# Altium PCB DDR3.PcbDoc (part 3 of 6)
Units mm, origin at the board's own origin, x right, y up, seen from the top; angles counter-clockwise.
Board outline 67.6 x 30 mm, 8 copper layers (L1 Top, L2 GND, L3 Sig, L4 (PWR), L5 (PWR), L6 Sig, L7 GND, L8 Bot), stack 1.714 mm thick; 216 components, 253 nets, 1243 pads, 806 vias.
Unrouted connection lines stored in the file: 13.
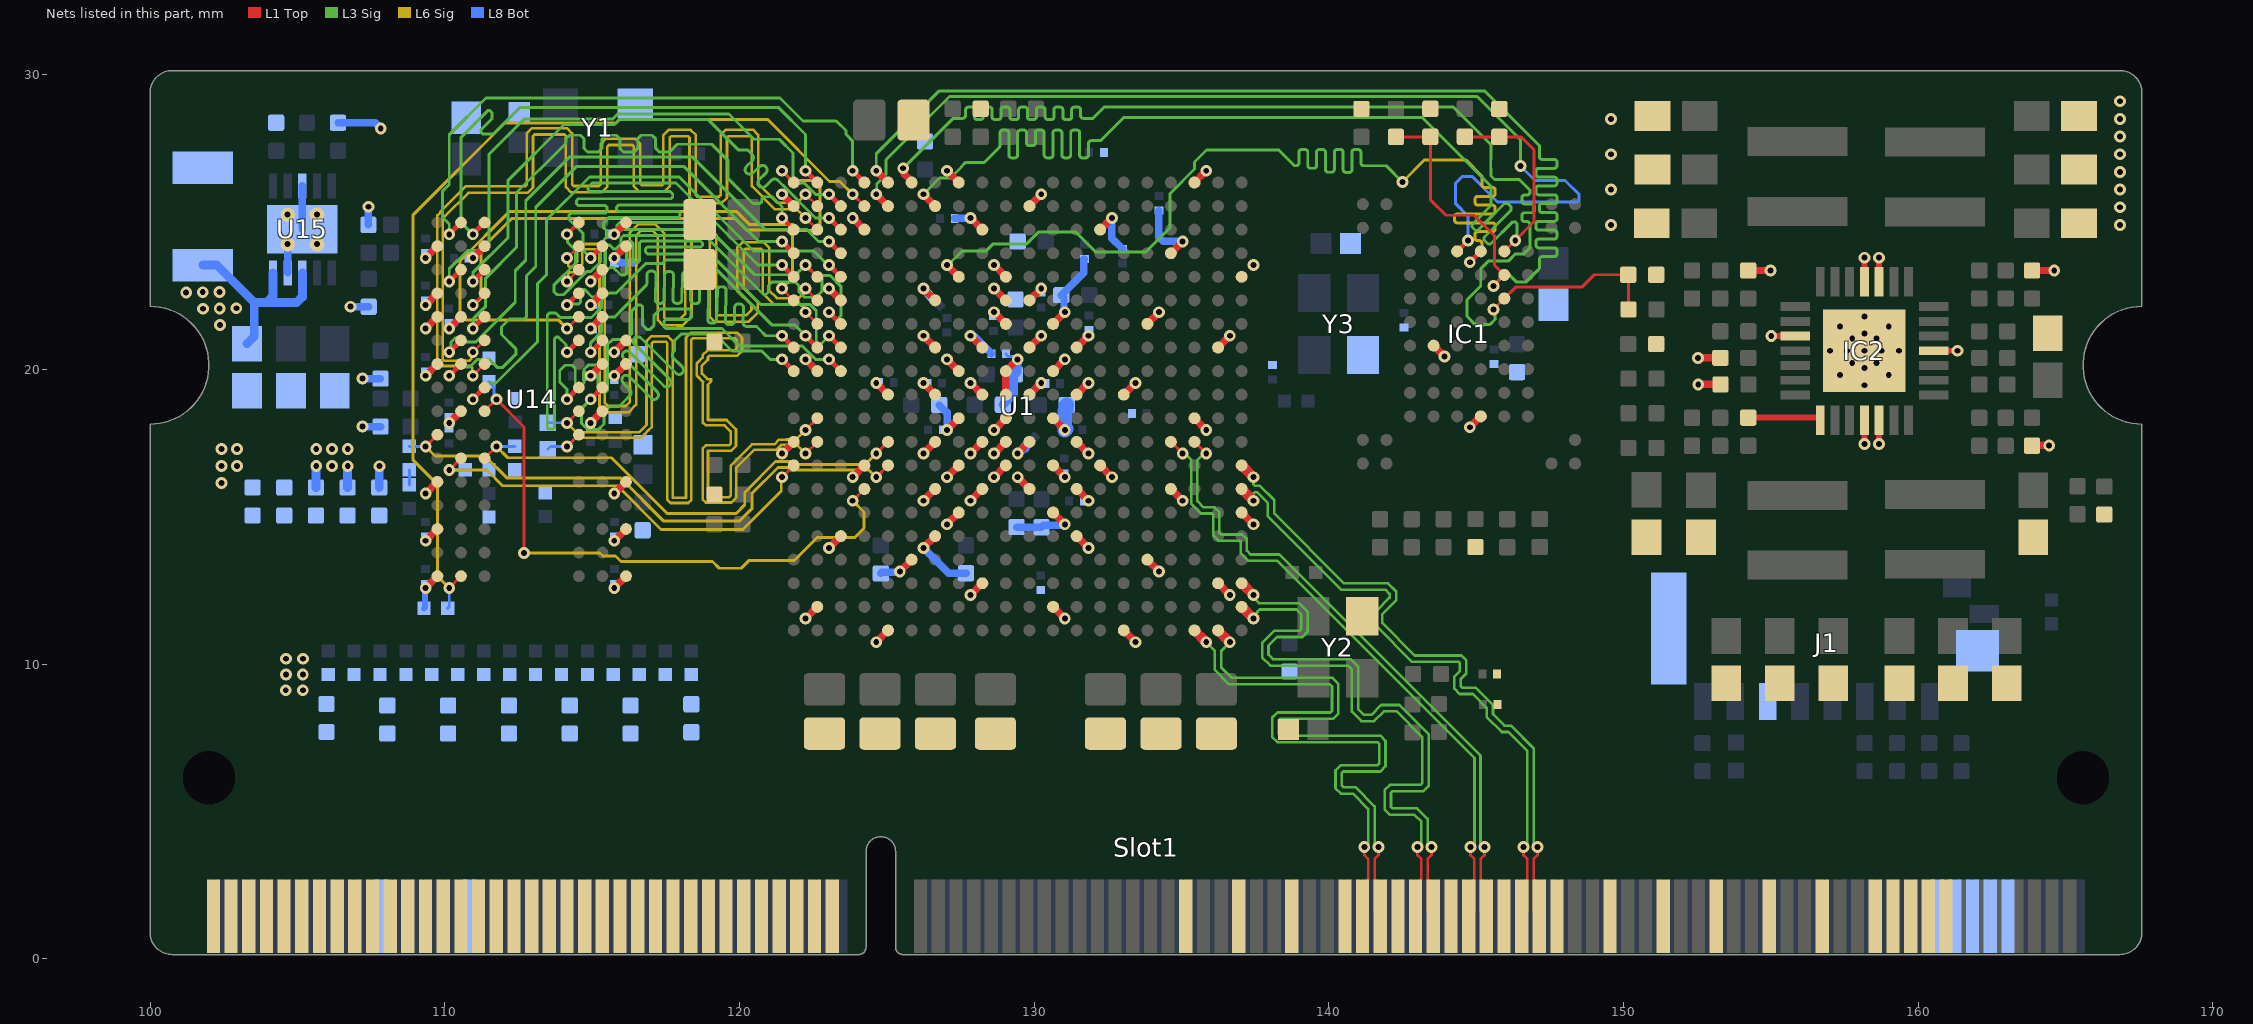
[diagram p9: the nets of this part, all layers, seen from the top]

## Via types
v1: diameter 0.4, hole 0.2, L1 Top to L8 Bot, 802 vias
v2: diameter 0.5, hole 0.2, L1 Top to L8 Bot, 4 vias

## Nets (pads, with @x,y where several pads share a name; then routed paths per layer and width w, separated by ;. In a path a pad name is that pad's centre, name@x,y a point inside that pad or via, vN(x,y) a via of type N, cw(c..) or ccw(c..) an arc to the next point about the centre after c; other vN are vias at no path point) (continued)
DDR-0-CLK0_N: R119.2 U1.M2 U14.K7 | length 34.9
  L1 Top w0.09: v1(114.154,17.393) U14.K7@114.554,17.793 ; v1(122.245,17.151) U1.M2@122.645,17.551
  L6 Sig w0.09: v1(114.154,17.393) 114.454,17.693 116.672,17.693 116.777,17.798 116.923,17.945 117.029,18.05 117.029,20.896 117.082,20.948 117.503,20.948 117.556,20.896 117.556,15.582 117.662,15.476 118.263,15.476 118.369,15.582 118.369,21.018 118.422,21.071 119.858,21.071 119.911,21.018 119.911,20.71 119.858,20.658 118.913,20.658 118.754,20.499 118.754,20.408 118.554,20.208 118.554,19.798 118.768,19.584 118.754,19.57 118.754,18.215 118.86,18.11 119.497,18.11 119.704,17.902 119.704,17.483 119.652,17.43 118.861,17.43 118.755,17.324 118.755,15.599 118.861,15.493 119.73,15.493 119.889,15.651 119.889,16.67 120.506,17.287 121.263,17.287 121.422,17.446 121.654,17.446 121.656,17.448 121.948,17.448 v1(122.245,17.151)
  L8 Bot w0.09: R119.2@113.5,17.3 113.593,17.393 v1(114.154,17.393)
DDR-0-CLK0_P: R119.1 U1.L2 U14.J7 | length 35.1
  L1 Top w0.09: v1(114.154,18.193) U14.J7@114.554,18.593 ; v1(122.245,17.951) U1.L2@122.645,18.351
  L6 Sig w0.09: v1(114.154,18.193) 114.474,17.873 116.597,17.873 116.849,18.125 116.849,20.97 117.007,21.128 117.578,21.128 117.736,20.97 117.736,15.656 118.189,15.656 118.189,21.092 118.347,21.251 119.933,21.251 120.091,21.092 120.091,20.636 119.933,20.478 118.987,20.478 118.934,20.425 118.934,20.328 118.914,20.328 118.724,20.137 118.724,19.868 118.914,19.678 119.04,19.678 119.04,19.601 118.934,19.496 118.934,18.29 ; 118.935,15.673 118.935,17.25 ; 118.935,18.29 119.571,18.29 119.884,17.977 119.884,17.408 119.726,17.25 118.935,17.25 ; 118.935,15.673 119.656,15.673 119.709,15.726 119.709,16.744 120.431,17.467 121.188,17.467 121.347,17.626 121.58,17.626 121.581,17.628 121.922,17.628 v1(122.245,17.951)
  L8 Bot w0.09: R119.1@113.5,18.2 113.507,18.193 v1(114.154,18.193)
DDR-0-CS0: R111.2 U1.N1 U14.L2 | length 14.8
  L1 Top w0.1: v1(110.154,16.593) U14.L2@110.554,16.993 ; v1(121.445,16.351) U1.N1@121.845,16.751
  L6 Sig w0.1: v1(110.154,16.593) 111.432,16.593 111.965,16.06 115.864,16.06 117.344,14.58 120.117,14.58 121.422,15.885 121.422,16.328 v1(121.445,16.351)
  L8 Bot w0.1: v1(110.154,16.593) 110.693,16.593 R111.2@110.7,16.6
DDR-0-DQ0: U1.C1 U14.E3 | length 20.4
  L1 Top w0.171: v1(110.954,21.393) U14.E3@111.354,21.793 ; v1(121.445,25.151) U1.C1@121.845,24.751
  L3 Sig w0.1: v1(110.954,21.393) 110.983,21.422 110.983,21.743 111.39,22.15 111.39,23.104 112.44,24.154 112.44,26.01 113.947,27.517 114.119,27.689 114.119,27.833 114.24,27.954 114.605,27.954 114.727,27.833 114.727,27.512 114.848,27.39 115.213,27.39 115.335,27.512 115.335,27.833 115.456,27.954 115.821,27.954 115.943,27.833 115.943,27.512 116.064,27.39 116.429,27.39 116.551,27.512 116.551,27.833 116.672,27.954 117.037,27.954 117.159,27.833 117.159,27.512 117.28,27.39 117.645,27.39 117.767,27.512 117.767,27.528 117.888,27.65 118.26,27.65 119.06,27.65 119.62,27.09 119.62,26.48 120.46,25.64 120.7,25.64 120.76,25.7 120.76,25.81 120.819,25.869 121.111,25.869 121.445,25.535 v1(121.445,25.151)
DDR-0-DQ1: U1.H2 U14.F7 | length 19.9
  L1 Top w0.171: v1(114.154,20.593) U14.F7@114.554,20.993 ; v1(122.245,21.151) U1.H2@122.645,20.751
  L3 Sig w0.1: v1(114.154,20.593) 114.118,20.629 114.118,20.852 113.866,21.104 113.784,21.104 113.725,21.045 113.725,18.038 113.666,17.979 113.539,17.979 113.48,18.038 113.48,21.85 113.56,21.93 113.76,21.93 113.924,21.766 114.984,21.766 115.316,22.098 115.316,22.352 115.57,22.606 115.824,22.606 116.828,23.61 117.396,23.61 117.509,23.723 118.315,23.723 118.428,23.61 119.011,23.61 121.1,21.521 121.875,21.521 v1(122.245,21.151)
DDR-0-DQ2: U1.D3 U14.F2 | length 20
  L1 Top w0.171: v1(110.154,20.593) U14.F2@110.554,20.993 ; v1(123.045,24.351) U1.D3@123.445,23.951
  L3 Sig w0.1: v1(110.154,20.593) 110.211,20.65 110.211,20.931 110.35,21.07 110.569,21.07 110.707,20.932 111.042,20.932 112.395,22.285 112.395,23.355 112.75,23.71 112.75,25.73 114.23,27.21 118.42,27.21 120.865,24.765 122.275,24.765 122.69,24.351 v1(123.045,24.351)
DDR-0-DQ3: U1.H1 U14.F8 | length 20.5
  L1 Top w0.171: v1(114.954,20.593) U14.F8@115.354,20.993 ; v1(121.445,21.151) U1.H1@121.845,20.751
  L3 Sig w0.1: v1(114.954,20.593) 114.954,20.911 115.316,21.273 115.316,21.59 115.506,21.78 115.76,21.78 116.129,22.149 116.824,22.844 ccw(c116.739,22.929) 116.859,22.926 116.866,23.229 cw(c116.986,23.226) 116.989,23.346 117.049,23.345 cw(c117.046,23.225) 117.166,23.222 117.145,22.373 ccw(c117.265,22.37) 117.262,22.25 117.322,22.249 ccw(c117.325,22.369) 117.445,22.366 117.466,23.214 cw(c117.586,23.211) 117.589,23.331 117.649,23.329 cw(c117.646,23.209) 117.766,23.206 117.745,22.373 ccw(c117.865,22.37) 117.862,22.25 117.922,22.249 ccw(c117.925,22.369) 118.045,22.366 118.066,23.199 cw(c118.186,23.196) 118.189,23.316 118.249,23.314 cw(c118.246,23.194) 118.366,23.191 118.345,22.361 ccw(c118.465,22.358) 118.462,22.238 118.522,22.237 ccw(c118.525,22.357) 118.645,22.354 118.666,23.184 cw(c118.786,23.181) 118.789,23.301 118.849,23.299 cw(c118.846,23.179) 118.966,23.176 118.929,21.703 ccw(c119.049,21.699) 119.046,21.58 119.106,21.578 ccw(c119.109,21.698) 119.229,21.695 119.254,22.697 cw(c119.374,22.694) 119.377,22.814 119.437,22.813 cw(c119.434,22.693) 119.554,22.69 119.528,21.653 ccw(c119.648,21.65) 119.645,21.53 119.705,21.528 ccw(c119.708,21.648) 119.828,21.645 119.839,22.112 cw(c119.959,22.109) 119.962,22.229 120.022,22.227 cw(c120.019,22.107) 120.139,22.104 120.126,21.593 ccw(c120.246,21.59) 120.246,21.47 120.579,21.47 120.633,21.415 120.682,21.367 120.898,21.151 v1(121.445,21.151)
DDR-0-DQ4: U1.E3 U14.H3 | length 19.8
  L1 Top w0.171: v1(110.954,18.993) U14.H3@111.354,19.393 ; v1(123.045,23.551) U1.E3@123.445,23.151
  L3 Sig w0.1: v1(110.954,18.993) 111.505,19.544 111.745,19.544 113.157,20.957 113.157,22.924 113.45,23.216 113.45,25.08 114.91,26.54 117.96,26.54 120.476,24.024 121.305,24.024 121.308,24.021 121.582,24.021 121.585,24.024 122.526,24.024 122.999,23.551 v1(123.045,23.551)
DDR-0-DQ5: U1.J1 U14.H8 | length 20.6
  L1 Top w0.171: v1(114.954,18.993) U14.H8@115.354,19.393 ; v1(121.445,20.351) U1.J1@121.845,19.951
  L3 Sig w0.1: v1(114.954,18.993) 114.65,18.689 114.65,18.172 114.859,17.963 115.213,17.963 115.41,18.16 115.41,18.556 115.606,18.751 115.919,18.751 116.089,18.921 116.282,19.114 ccw(c116.176,19.221) 116.282,19.327 116.054,19.555 cw(c116.16,19.661) 116.054,19.767 cw(c116.16,19.661) 116.266,19.767 116.999,19.034 ccw(c117.105,19.141) 117.211,19.034 ccw(c117.105,19.141) 117.211,19.247 116.078,20.379 cw(c116.184,20.486) 116.078,20.592 cw(c116.184,20.486) 116.29,20.592 117.423,19.459 ccw(c117.529,19.565) 117.635,19.459 ccw(c117.529,19.565) 117.635,19.671 116.446,20.86 cw(c116.552,20.966) 116.446,21.072 cw(c116.552,20.966) 116.658,21.072 117.847,19.883 ccw(c117.953,19.989) 118.059,19.883 ccw(c117.953,19.989) 118.059,20.095 117.767,20.387 cw(c117.873,20.493) 117.767,20.599 117.802,20.635 117.802,20.982 118.035,21.215 119.165,21.215 119.75,20.63 120.762,20.63 121.041,20.351 v1(121.445,20.351)
DDR-0-DQ6: U1.D1 U14.G2 | length 19.9
  L1 Top w0.171: v1(110.154,19.793) U14.G2@110.554,20.193 ; v1(121.445,24.351) U1.D1@121.845,23.951
  L3 Sig w0.1: v1(110.154,19.793) 110.451,20.09 110.85,20.09 111.099,20.339 111.521,20.339 111.78,20.08 111.97,20.08 112.413,20.523 112.413,20.707 111.931,21.189 111.931,21.451 112.202,21.722 112.702,21.722 112.776,21.796 112.776,23.186 113.09,23.5 113.09,25.51 114.48,26.9 118.11,26.9 120.659,24.351 v1(121.445,24.351)
DDR-0-DQ7: U1.J3 U14.H7 | length 20
  L1 Top w0.171: v1(114.154,18.993) U14.H7@114.554,19.393 ; v1(123.045,20.351) U1.J3@123.445,19.951
  L3 Sig w0.1: v1(114.154,18.993) 114.144,19.003 114.144,19.343 113.905,19.582 113.905,19.975 114.08,20.15 114.33,20.15 114.43,20.05 114.43,19.45 114.489,19.391 114.571,19.391 114.724,19.544 114.724,20.004 114.872,20.152 115.108,20.152 115.2,20.06 115.2,19.42 115.383,19.237 115.465,19.237 115.524,19.296 115.524,20.85 115.692,21.018 116.139,21.018 116.332,21.212 116.332,21.971 116.551,22.19 116.66,22.19 116.719,22.131 116.719,21.511 116.874,21.356 116.956,21.356 117.11,21.51 117.11,21.85 117.326,22.066 118.301,22.066 118.36,22.007 118.36,21.759 118.301,21.7 117.504,21.7 117.446,21.641 117.446,21.454 117.504,21.395 119.409,21.395 119.994,20.81 122.124,20.81 122.583,20.351 v1(123.045,20.351)
DDR-0-DQ8: U1.H3 U14.D7 | length 20
  L1 Top w0.171: v1(114.154,22.193) U14.D7@114.554,22.593 ; v1(123.045,21.151) U1.H3@123.445,20.751
  L3 Sig w0.1: v1(114.154,22.193) 114.192,22.231 114.55,22.231 114.609,22.289 114.609,22.661 114.667,22.72 114.75,22.72 115,22.47 115.1,22.47 115.379,22.749 115.379,23.243 115.607,23.47 115.722,23.47 115.982,23.21 116.101,23.21 116.164,23.273 116.164,24.264 116.249,24.349 116.331,24.349 116.39,24.29 116.39,23.689 116.449,23.63 116.55,23.63 116.61,23.69 116.61,24.308 116.669,24.366 118.684,24.366 118.75,24.3 118.75,24.217 118.692,24.158 116.878,24.158 116.819,24.1 116.819,23.989 116.878,23.93 119.013,23.93 120.737,22.206 122.404,22.206 122.61,22 122.61,21.727 122.742,21.595 122.742,21.512 122.61,21.38 122.61,20.916 122.669,20.857 122.751,20.857 v1(123.045,21.151)
DDR-0-DQ9: U1.C3 U14.C3 | length 20.1
  L1 Top w0.171: v1(110.954,22.993) U14.C3@111.354,23.393 ; v1(123.045,25.151) U1.C3@123.445,24.751
  L3 Sig w0.1: v1(110.954,22.993) 110.954,23.286 112.141,24.473 112.141,26.411 114.05,28.32 115.766,28.32 115.941,28.495 118.925,28.495 119.96,27.46 120.197,27.46 120.274,27.46 120.434,27.3 cw(c120.324,27.191) 120.431,27.079 120.244,26.9 ccw(c120.351,26.788) 120.239,26.681 ccw(c120.351,26.788) 120.458,26.676 120.68,26.887 cw(c120.787,26.775) 120.899,26.882 cw(c120.787,26.775) 120.894,26.663 120.672,26.452 ccw(c120.779,26.339) 120.667,26.232 ccw(c120.779,26.339) 120.886,26.227 121.094,26.426 cw(c121.201,26.314) 121.311,26.423 121.434,26.3 121.469,26.265 122.583,25.151 v1(123.045,25.151)
DDR-0-DQ10: U1.G3 U14.C8 | length 20.2
  L1 Top w0.171: v1(123.045,21.951) U1.G3@123.445,21.551
  L1 Top w0.254: v1(114.954,22.993) U14.C8@115.354,23.393
  L3 Sig w0.1: v1(114.954,22.993) 114.954,23.072 115.464,23.582 115.464,24.166 115.523,24.225 115.605,24.225 115.729,24.101 115.811,24.101 115.984,24.274 115.984,24.464 116.07,24.55 118.341,24.55 118.4,24.608 118.4,24.691 118.341,24.75 115.922,24.75 115.849,24.823 115.849,24.906 115.933,24.99 118.382,24.99 120.819,22.553 120.902,22.553 120.99,22.641 120.99,22.858 121.113,22.981 121.892,22.981 122.015,22.858 122.015,22.656 122.213,22.458 122.6,22.458 122.8,22.658 122.8,23.135 122.859,23.194 123.081,23.194 123.445,22.83 123.445,21.818 123.37,21.743 123.253,21.743 v1(123.045,21.951)
DDR-0-DQ11: U1.B3 U14.C2 | length 20
  L1 Top w0.171: v1(110.154,22.993) U14.C2@110.554,23.393 ; v1(123.045,25.951) U1.B3@123.445,25.551
  L3 Sig w0.1: v1(110.154,22.993) 110.154,23.424 110.778,24.048 111.298,24.048 111.51,24.26 111.51,27.32 112.69,28.5 115.691,28.5 115.866,28.675 119.645,28.675 120.5,27.82 121.355,27.82 121.822,27.353 121.822,26.526 122.008,26.34 122.194,26.34 122.583,25.951 v1(123.045,25.951)
DDR-0-DQ12: U1.E2 U14.A7 | length 19.9
  L1 Top w0.127: v1(114.154,24.593) U14.A7@114.554,24.993 ; v1(122.245,23.551) U1.E2@122.645,23.151
  L3 Sig w0.1: v1(114.154,24.593) 114.173,24.574 114.173,24.317 114.44,24.05 114.44,23.604 113.703,22.867 113.703,22.655 113.816,22.541 114.031,22.541 114.817,23.327 114.955,23.327 115.284,23.656 115.284,24.284 115.51,24.51 115.51,24.71 115.383,24.837 115.383,24.971 ; 115.385,24.97 115.585,25.17 117.93,25.17 117.989,25.229 117.989,25.311 117.927,25.373 115.888,25.373 115.829,25.432 115.829,25.515 115.908,25.593 118.181,25.593 118.24,25.535 118.24,25.246 118.299,25.187 118.553,25.187 120.519,23.221 121.915,23.221 v1(122.245,23.551)
DDR-0-DQ13: U1.A4 U14.A2 | length 20.6
  L1 Top w0.171: v1(110.154,24.593) U14.A2@110.554,24.993 ; v1(123.845,26.751) U1.A4@124.245,26.351
  L3 Sig w0.1: v1(110.154,24.593) 110.154,24.946 109.92,25.18 109.92,26.05 110.154,26.284 110.154,27.974 111.4,29.22 121.376,29.22 122.156,28.44 123.287,28.44 123.615,28.112 123.615,27.985 123.845,27.755 v1(123.845,26.751)
DDR-0-DQ14: U1.E1 U14.B8 | length 19.8
  L1 Top w0.171: v1(114.954,23.793) U14.B8@115.354,24.193 ; v1(121.445,23.551) U1.E1@121.845,23.151
  L3 Sig w0.1: v1(114.954,23.793) 114.7,24.047 114.7,24.62 114.22,25.1 114.22,25.251 114.279,25.31 115.449,25.31 115.508,25.369 115.508,25.511 115.449,25.57 114.529,25.57 114.47,25.629 114.47,25.741 114.529,25.8 117.681,25.8 117.74,25.859 117.74,25.965 117.658,26.047 114.933,26.047 114.866,26.113 114.866,26.196 115,26.33 117.85,26.33 118.067,26.113 120.629,23.551 v1(121.445,23.551)
DDR-0-DQ15: U1.A2 U14.A3 | length 19.9
  L1 Top w0.171: v1(110.954,24.593) U14.A3@111.354,24.993 ; v1(122.245,26.751) U1.A2@122.645,26.351
  L3 Sig w0.1: v1(110.954,24.593) 110.56,24.987 110.56,27.89 111.459,28.789 111.541,28.789 111.6,28.73 111.6,28.51 111.231,28.141 111.231,28.059 111.29,28 111.65,28 112.54,28.89 121.34,28.89 122.245,27.985 v1(122.245,26.751)
DDR-0-LDM: U1.A1 U14.E7 | length 22.9
  L1 Top w0.09: v1(121.445,26.751) U1.A1@121.845,26.351
  L1 Top w0.1: v1(114.154,21.393) U14.E7@114.554,21.793
  L6 Sig w0.1: v1(114.154,21.393) 113.868,21.679 110.749,21.679 110.52,21.909 110.52,23.689 112.191,25.36 119.91,25.36 120.35,24.92 121.54,24.92 121.549,24.93 121.81,24.93 122.01,24.73 122.681,24.73 122.74,24.789 122.74,26.24 122.56,26.42 121.776,26.42 v1(121.445,26.751)
DDR-0-LDQS_N: U1.B2 U14.G3 | length 35.3
  L1 Top w0.09: v1(110.954,19.793) U14.G3@111.354,20.193 ; v1(122.245,25.951) U1.B2@122.645,25.551
  L6 Sig w0.09: v1(110.954,19.793) 110.933,19.814 110.933,20.065 110.874,20.124 109.907,20.124 109.749,20.282 109.749,25.23 109.857,25.337 109.857,25.363 110.713,26.22 112.727,26.22 112.78,26.273 112.78,28.015 112.96,28.195 114.147,28.195 114.327,28.015 114.327,26.287 114.38,26.234 115.23,26.234 115.301,26.306 115.301,27.66 115.481,27.84 116.457,27.84 116.637,27.66 116.637,26.308 116.69,26.256 117.367,26.256 117.42,26.308 117.42,27.961 117.6,28.14 118.345,28.14 118.525,27.961 118.525,25.92 118.577,25.868 119.31,25.868 119.363,25.92 119.363,27.963 119.543,28.143 120.46,28.143 120.64,27.963 120.64,26.319 121.3,25.659 121.954,25.659 v1(122.245,25.951)
DDR-0-LDQS_P: U1.C2 U14.F3 | length 34.6
  L1 Top w0.09: v1(110.954,20.593) U14.F3@111.354,20.993 ; v1(122.245,25.151) U1.C2@122.645,24.751
  L6 Sig w0.09: v1(110.954,20.593) 110.896,20.535 110.896,20.357 110.844,20.304 109.982,20.304 109.929,20.357 109.929,25.155 109.984,25.21 110.01,25.21 110.803,26.003 112.817,26.003 112.997,26.183 112.997,27.925 113.05,27.978 114.057,27.978 114.11,27.925 114.11,26.197 114.29,26.017 115.32,26.017 115.518,26.216 115.518,27.57 115.571,27.623 116.367,27.623 116.42,27.57 116.42,26.218 116.6,26.039 117.457,26.039 117.637,26.218 117.637,27.871 117.69,27.923 118.255,27.923 118.308,27.871 118.308,25.83 118.488,25.651 119.4,25.651 119.58,25.83 119.58,27.873 119.633,27.926 120.37,27.926 120.423,27.873 120.423,26.229 121.21,25.442 121.954,25.442 v1(122.245,25.151)
DDR-0-ODT: R117.2 U1.N5 U14.K1 | length 19.2
  L1 Top w0.1: v1(109.354,17.393) U14.K1@109.754,17.793 ; v1(124.645,16.351) U1.N5@125.045,16.751
  L6 Sig w0.1: v1(109.354,17.393) 109.673,17.074 111.36,17.074 112.105,16.328 115.962,16.328 117.421,14.869 120.014,14.869 120.421,15.277 120.421,15.794 121.308,16.681 121.628,16.681 121.715,16.594 124.393,16.594 124.637,16.351 v1(124.645,16.351)
  L8 Bot w0.1: R117.2@108.8,17.4 108.807,17.393 v1(109.354,17.393)
DDR-0-RAS: R116.2 U1.P4 U14.J3 | length 20.8
  L1 Top w0.1: U14.J3@111.354,18.593 v1(111.754,18.993) 112.69,18.057 v1(112.69,13.78) ; v1(123.845,15.551) U1.P4@124.245,15.951
  L6 Sig w0.1: v1(112.69,13.78) 115.271,13.78 115.373,13.679 115.794,13.679 115.982,13.49 119.09,13.49 119.32,13.26 120.063,13.26 120.334,13.531 121.871,13.531 122.65,14.31 123.92,14.31 124.23,14.62 124.23,15.166 v1(123.845,15.551)
  L8 Bot w0.1: R116.2@111.5,19.59 111.675,19.415 111.675,19.153 111.754,19.074 v1(111.754,18.993)
DDR-0-RESET: R112.2 U1.B4 U14.T2 | length 32.3
  L1 Top w0.1: v1(110.154,12.593) U14.T2@110.554,12.993 ; v1(123.845,25.951) U1.B4@124.245,25.551
  L6 Sig w0.1: v1(110.154,12.593) 109.75,12.997 109.75,16.107 108.918,16.939 108.918,25.238 112.05,28.37 115.816,28.37 115.941,28.495 120.955,28.495 123.061,26.389 123.407,26.389 v1(123.845,25.951)
  L8 Bot w0.1: R112.2@110.1,11.9 110.154,11.954 v1(110.154,12.593)
DDR-0-UDM: U1.F1 U14.D3 | length 16.4
  L1 Top w0.09: v1(121.445,22.751) U1.F1@121.845,22.351
  L1 Top w0.1: v1(110.954,22.193) U14.D3@111.354,22.593
  L6 Sig w0.1: v1(110.954,22.193) 111.002,22.193 111.234,22.425 111.234,24.085 112.285,25.136 119.839,25.136 120.235,24.74 121.607,24.74 121.8,24.547 121.8,23.106 v1(121.445,22.751)
DDR-0-UDQS_N: U1.F2 U14.B7 | length 34.7
  L1 Top w0.09: v1(114.154,23.793) U14.B7@114.554,24.193 ; v1(122.245,22.751) U1.F2@122.645,22.351
  L6 Sig w0.09: v1(114.154,23.793) 114.19,23.757 114.19,23.536 114.243,23.483 114.318,23.483 114.489,23.654 114.489,24.107 114.647,24.265 115.277,24.265 115.435,24.107 115.435,18.867 115.534,18.768 116.141,18.768 116.283,18.91 116.283,24.65 116.57,24.937 117.143,24.937 117.45,24.63 117.45,21.772 117.503,21.719 117.987,21.719 117.988,21.718 118.158,21.888 118.158,24.583 118.338,24.763 119.034,24.763 119.214,24.583 119.214,21.881 119.253,21.842 120.222,21.842 120.41,22.03 120.41,22.193 119.927,22.676 119.927,24.138 120.107,24.318 120.829,24.318 121.008,24.138 121.008,22.689 121.271,22.426 121.663,22.426 121.696,22.459 122.049,22.459 122.101,22.512 122.101,22.524 122.245,22.667 v1(122.245,22.751)
DDR-0-UDQS_P: U1.G2 U14.C7 | length 34.8
  L1 Top w0.09: v1(114.154,22.993) U14.C7@114.554,23.393 ; v1(122.245,21.951) U1.G2@122.645,21.551
  L6 Sig w0.09: v1(114.154,22.993) 114.19,23.029 114.19,23.25 114.243,23.303 114.392,23.303 114.669,23.58 114.669,24.032 114.722,24.085 115.203,24.085 115.255,24.032 115.255,18.74 115.444,18.551 116.231,18.551 116.5,18.82 116.5,24.56 116.66,24.72 117.053,24.72 117.233,24.54 117.233,21.682 117.413,21.502 117.897,21.502 117.898,21.501 118.078,21.501 118.375,21.799 118.375,24.493 118.428,24.546 118.945,24.546 118.997,24.493 118.997,21.791 119.163,21.625 120.312,21.625 120.627,21.94 120.627,22.283 120.144,22.766 120.144,24.048 120.197,24.101 120.739,24.101 120.791,24.048 120.791,22.599 121.182,22.209 121.753,22.209 121.786,22.242 122.049,22.242 122.101,22.19 122.101,22.178 122.245,22.035 v1(122.245,21.951)
DDR-0-WE: R114.2 U1.M5 U14.L3 | length 16.8
  L1 Top w0.1: U14.L3@111.354,16.993 v1(111.754,17.393) ; v1(124.645,17.151) U1.M5@125.045,17.551
  L6 Sig w0.1: v1(111.754,17.393) 112.137,17.01 115.66,17.01 117.55,15.12 119.891,15.12 120.183,15.412 120.183,15.834 121.229,16.88 121.79,16.88 121.881,16.789 124.283,16.789 v1(124.645,17.151)
  L8 Bot w0.1: v1(111.754,17.393) 112.373,17.393 R114.2@112.38,17.4
DDRVTT: C30.2 C31.2 C40.2 C41.2 C42.2 C96.2 C97.2 C98.2 C99.2 C100.2 C101.2 C102.2 C112.1 C113.1 R93.1 R94.1 R95.1 R96.1 R97.1 R98.1 R99.1 R100.1 R101.1 R102.1 R103.1 R104.1 R105.1 R106.1 R107.1 R108.1 R109.1 R110.1 R111.1 R114.1 R115.1 R116.1 R117.1 R118.1 U15.3 U15.5 | length 10.1
  L8 Bot w0.1: R108.1@108.8,16.09 R117.1@108.8,16.6
  L8 Bot w0.3: C113.1@101.79,23.55 102.265,23.55 103.535,22.28 ; C112.1@103.29,20.882 103.535,21.127 103.535,22.28 ; U15.5@104.17,23.285 104.17,22.49 103.96,22.28 ; U15.3@105.17,23.285 105.17,22.47 104.98,22.28 103.96,22.28 ; C97.2@105.63,15.999 105.635,16.004 105.635,16.725 v1(105.64,16.73) ; C42.2@106.705,15.999 v1@106.705,16.72 ; C96.2@107.78,15.999 v1@107.78,16.72 ; 103.535,22.28 103.96,22.28
  other v1: 104.605,9.12 105.185,9.12 104.61,9.655 105.185,9.655 104.61,10.19 105.19,10.19 102.43,16.15 106.71,16.725 107.785,16.725 102.43,16.73 102.95,16.73 106.175,16.73 102.43,17.31 102.95,17.305 105.64,17.31 106.175,17.305 106.71,17.305 102.374,21.511 101.8,22.066 102.364,22.076 102.928,22.085 101.226,22.62 101.79,22.63 102.354,22.64
EN1: IC2.1 R36.2 | length 2.5
  L1 Top w0.2: R36.2@154.239,18.37 156.6,18.37 IC2.1@156.68,18.29
GND: C1.1 C2.1 C3.1 C4.1 C6.1 C8.1 C9.1 C10.1 C11.1 C12.1 C13.1 C14.1 C15.1 C16.1 C17.1 C18.1 C19.1 C20.1 C21.1 C22.1 C23.1 C24.2 C25.1 C26.1 C27.1 C29.1 C30.1 C31.1 C32.2 C33.2 C34.2 C35.2 C36.2 C37.2 C38.2 C40.1 C41.1 C42.1 C43.2 C44.2 C45.2 C46.2 C47.2 C48.2 C49.2 C51.1 C52.1 C53.1 C54.2 C55.2 C56.2 C57.2 C58.2 C59.1 C60.1 C61.1 C62.2 C63.2 C64.2 C65.1 C66.1 C67.1 C68.1 C69.2 C70.2 C71.2 C72.2 C73.2 C74.2 C75.2 C76.2 C77.2 C78.2 C79.2 C80.2 C81.2 C82.2 C83.1 C84.2 C85.1 C86.1 C87.2 C88.2 C89.2 C91.2 C92.2 C93.2 C95.2 C96.1 C97.1 C98.1 C99.1 C100.1 C101.1 C102.1 C103.1 C104.1 C105.1 C110.1 C112.2 C113.2 C114.2 C115.1 C116.1 C117.2 C120.1 C121.2 C122.2 C140.2 C141.2 D1.1 D2.1 FB1.1 IC1.C5 IC1.F7 IC2.4 IC2.5 IC2.11 IC2.17 IC2.18 IC2.24 IC2.29 J1.G1 J1.G2 J1.P6 R4.2 R14.1 R15.1 R16.1 R23.1 R24.1 R25.1 R27.1 R28.1 R29.1 R34.1 R35.1 R42.1 R112.1 R113.1 Slot1.1 Slot1.3 Slot1.5 Slot1.7 Slot1.9 Slot1.11 Slot1.13 Slot1.15 Slot1.17 Slot1.19 Slot1.20 Slot1.21 Slot1.23 Slot1.25 Slot1.27 Slot1.29 Slot1.30 Slot1.31 Slot1.33 Slot1.35 Slot1.37 Slot1.39 Slot1.41 Slot1.43 Slot1.45 Slot1.47 Slot1.49 Slot1.51 Slot1.53 Slot1.55 Slot1.57 Slot1.59 Slot1.61 Slot1.63 Slot1.65 Slot1.67 Slot1.69 Slot1.71 Slot1.103 Slot1.109 Slot1.115 Slot1.121 Slot1.127 Slot1.133 Slot1.139 Slot1.145 Slot1.151 Slot1.157 Slot1.163 Slot1.169 Slot1.175 Slot1.181 Slot1.183 Slot1.185 Slot1.187 Slot1.188 Slot1.189 Slot1.190 Slot1.192 Slot1.194 Slot1.196 U1.A8 U1.A18 U1.B1 U1.B11 U1.C4 U1.C9 U1.C14 U1.D17 U1.E10 U1.E20 U1.F3 U1.F7 U1.F10 U1.F11 U1.G10 U1.G12 U1.G16 U1.H7 U1.H9 U1.H11 U1.H13 U1.H19 U1.J2 U1.J8 U1.J12 U1.K5 U1.K7 U1.K9 U1.K11 U1.K13 U1.K15 U1.L8 U1.L10 U1.L12 U1.L18 U1.M1 U1.M7 U1.M9 U1.M10 U1.M11 U1.M13 U1.N4 U1.N8 U1.N10 U1.N12 U1.N14 U1.P7 U1.P9 U1.P11 U1.P13 U1.P17 U1.R8 U1.R12 U1.R20 U1.T3 U1.T7 U1.T13 U1.U6 U1.U16 U1.V9 U1.V19 U1.W2 U1.W12 U1.Y5 U1.Y15 U14.A9 U14.B1 U14.B3 U14.B9 U14.D1 U14.D8 U14.E1 U14.E2 U14.E8 U14.F9 U14.G1 U14.G8 U14.G9 U14.J2 U14.J8 U14.M1 U14.M9 U14.P1 U14.P9 U14.T1 U14.T9 U15.4 U15.8 U15.11 Y1.2 Y2.2 Y3.2 | length 79
  L1 Top w0.2: v1(155.02,21.14) IC2.24@155.83,21.14 ; v1(158.18,17.48) IC2.4@158.18,18.29 ; IC2.18@158.18,22.99 v1(158.18,23.8) ; v1(158.68,17.48) IC2.5@158.68,18.29 ; IC2.17@158.68,22.99 v1(158.68,23.8) ; IC2.11@160.53,20.64 v1(161.34,20.64)
  L1 Top w0.254: v1(109.354,12.593) U14.T1@109.754,12.993 ; v1(109.354,14.193) U14.P1@109.754,14.593 ; v1(109.354,15.793) U14.M1@109.754,16.193 ; v1(109.354,19.793) U14.G1@109.754,20.193 ; v1(109.354,21.393) U14.E1@109.754,21.793 ; v1(109.354,22.193) U14.D1@109.754,22.593 ; v1(109.354,23.793) U14.B1@109.754,24.193 ; v1(110.154,18.193) U14.J2@110.554,18.593 ; v1(110.154,21.393) U14.E2@110.554,21.793 ; v1(110.954,23.793) U14.B3@111.354,24.193 ; v1(114.954,18.193) U14.J8@115.354,18.593 ; v1(114.954,19.793) U14.G8@115.354,20.193 ; v1(114.954,21.393) U14.E8@115.354,21.793 ; v1(114.954,22.193) U14.D8@115.354,22.593 ; v1(115.754,12.593) U14.T9@116.154,12.993 ; v1(115.754,14.193) U14.P9@116.154,14.593 ; v1(115.754,15.793) U14.M9@116.154,16.193 ; v1(115.754,19.793) U14.G9@116.154,20.193 ; v1(115.754,20.593) U14.F9@116.154,20.993 ; v1(115.754,23.793) U14.B9@116.154,24.193 ; v1(115.754,24.593) U14.A9@116.154,24.993 ; v1(121.445,17.151) U1.M1@121.845,17.551 ; v1(121.445,25.951) U1.B1@121.845,25.551 ; v1(122.245,11.551) U1.W2@122.645,11.951 ; v1(122.245,20.351) U1.J2@122.645,19.951 ; v1(123.045,13.951) U1.T3@123.445,14.351 ; v1(123.045,22.751) U1.F3@123.445,22.351 ; v1(123.845,16.351) U1.N4@124.245,16.751 ; v1(123.845,25.151) U1.C4@124.245,24.751 ; v1(124.645,10.751) U1.Y5@125.045,11.151 ; v1(124.645,19.551) U1.K5@125.045,19.151 ; v1(125.445,13.151) U1.U6@125.845,13.551 ; v1(126.245,13.951) U1.T7@126.645,14.351 ; v1(126.245,15.551) U1.P7@126.645,15.951 ; v1(126.245,17.151) U1.M7@126.645,17.551 ; v1(126.245,19.551) U1.K7@126.645,19.151 ; v1(126.245,21.151) U1.H7@126.645,20.751 ; v1(126.245,22.751) U1.F7@126.645,22.351 ; v1(127.045,14.751) U1.R8@127.445,15.151 ; v1(127.045,16.351) U1.N8@127.445,16.751 ; v1(127.045,17.951) U1.L8@127.445,18.351 ; v1(127.045,20.351) U1.J8@127.445,19.951 ; v1(127.045,26.751) U1.A8@127.445,26.351 ; v1(127.845,12.351) U1.V9@128.245,12.751 ; v1(127.845,15.551) U1.P9@128.245,15.951 ; v1(127.845,17.151) U1.M9@128.245,17.551 ; v1(127.845,19.551) U1.K9@128.245,19.151 ; v1(127.845,21.151) U1.H9@128.245,20.751 ; v1(127.845,25.151) U1.C9@128.245,24.751 ; v1(128.645,16.351) U1.N10@129.045,16.751 ; v1(128.645,17.151) U1.M10@129.045,17.551 ; v1(128.645,17.951) U1.L10@129.045,18.351 ; v1(128.645,21.951) U1.G10@129.045,21.551 ; v1(128.645,22.751) U1.F10@129.045,22.351 ; v1(128.645,23.551) U1.E10@129.045,23.151 ; v1(129.445,16.351) U1.P11@129.845,15.951 ; v1(129.445,17.151) U1.M11@129.845,17.551 ; U1.K11@129.845,19.151 v1(130.245,19.551) ; U1.H11@129.845,20.751 v1(130.245,21.151) ; U1.F11@129.845,22.351 v1(130.245,22.751) ; U1.B11@129.845,25.551 v1(130.245,25.951) ; U1.W12@130.645,11.951 v1(131.045,11.551) ; U1.R12@130.645,15.151 v1(131.045,14.751) ; U1.N12@130.645,16.751 v1(131.045,16.351) ; U1.L12@130.645,18.351 v1(131.045,17.951) ; U1.J12@130.645,19.951 v1(131.045,20.351) ; U1.G12@130.645,21.551 v1(131.045,21.951) ; U1.T13@131.445,14.351 v1(131.845,13.951) ; U1.P13@131.445,15.951 v1(131.845,15.551) ; U1.M13@131.445,17.551 v1(131.845,17.151) ; U1.K13@131.445,19.151 v1(131.845,19.551) ; U1.H13@131.445,20.751 v1(131.845,21.151) ; U1.N14@132.245,16.751 v1(132.645,16.351) ; U1.C14@132.245,24.751 v1(132.645,25.151) ; U1.Y15@133.045,11.151 v1(133.445,10.751) ; U1.K15@133.045,19.151 v1(133.445,19.551) ; U1.U16@133.845,13.551 v1(134.245,13.151) ; U1.G16@133.845,21.551 v1(134.245,21.951) ; U1.P17@134.645,15.951 v1(135.045,15.551) ; U1.D17@134.645,23.951 v1(135.045,24.351) ; U1.L18@135.445,18.351 v1(135.845,17.951) ; U1.A18@135.445,26.351 v1(135.845,26.751) ; U1.V19@136.245,12.751 v1(136.645,12.351) ; U1.H19@136.245,20.751 v1(136.645,21.151) ; U1.R20@137.045,15.151 v1(137.445,14.751) ; IC1.F7@143.561,20.815 v1(143.932,20.444) ; v1(144.79,18.044) IC1.C5@145.161,18.415 ; v1@152.54,20.4 R35.1@153.29,20.4 ; v1@152.545,19.5 R27.1@153.295,19.5 ; R34.1@154.24,23.365 v1@154.99,23.365 ; R28.1@163.869,17.42 163.879,17.43 v1(164.45,17.43) ; R29.1@163.87,23.365 v1@164.62,23.365
  L8 Bot w0.2: R112.1@109.3,11.9 109.327,11.927 109.327,12.566 v1(109.354,12.593) C10.1@109.316,12.631
  L8 Bot w0.254: U15.4@104.67,23.285 v2(104.67,24.26) ; U15.11@105.17,24.76 U15.8@105.17,26.235 ; C120.1@106.38,28.38 107.64,28.38 107.83,28.19 v1(107.83,28.182) ; v1@106.81,22.135 C105.1@107.42,22.135 ; v1(107.207,19.698) 107.209,19.696 107.819,19.696 C104.1@107.82,19.695 ; v1(107.21,18.07) 107.213,18.067 C29.1@107.823,18.067 ; R42.1@107.41,24.915 v1@107.41,25.525 ; v1@109.314,22.193 v1(109.354,22.193) ; v1(115.754,23.793) 115.794,23.793 115.954,23.632 C117.2@116.389,23.632 ; C63.2@124.8,13.085 124.838,13.123 125.417,13.123 v1(125.445,13.151) ; v1(126.245,13.951) 127.107,13.089 C66.1@127.694,13.089 ; v1(126.245,22.751) 126.245,22.743 126.463,22.525 C83.1@126.463,22.517 ; C71.2@126.784,18.799 127.022,18.561 127.06,18.561 127.06,17.966 v1(127.045,17.951) ; C78.2@127.31,25.13 127.31,25.132 127.318,25.14 127.835,25.14 v1(127.845,25.151) ; v1(127.845,21.151) 127.873,21.123 127.982,21.123 128.55,20.555 FB1.1@128.55,20.54 ; C60.1@129.41,14.658 129.412,14.656 130.247,14.656 C45.2@130.25,14.653 130.319,14.723 131.017,14.723 v1(131.045,14.751) ; v1(129.445,17.151) 129.485,17.151 129.657,17.323 129.691,17.323 129.701,17.334 129.713,17.334 C59.1@129.723,17.323 ; v1(131.045,21.951) 131.017,21.979 131.017,22.438 C55.2@130.925,22.53 131.687,23.292 131.687,23.742 131.695,23.75 C72.2@131.71,23.75 ; v1(132.645,25.151) 132.645,24.462 132.985,24.122 132.985,24.107 132.993,24.099 C76.2@133.008,24.099 ; C75.2@134.24,25.4 134.24,24.5 134.389,24.351 v1(135.045,24.351)
  L8 Bot w0.5: C65.1@131.085,17.991 v1(131.045,17.951) 131.045,18.579 131.085,18.619 131.085,18.775 C52.1@131.11,18.8
  other v1: 158.18,19.47 152.542,19.497 157.353,19.813 159.007,19.813 158.18,20.055 157.766,20.226 158.594,20.226 152.537,20.397 157.01,20.64 157.595,20.64 158.18,20.64 158.765,20.64 159.35,20.64 157.766,21.054 158.594,21.054 158.18,21.225 157.353,21.467 159.007,21.467 158.18,21.81 106.807,22.138 154.993,23.368 164.623,23.368 137.445,23.551 149.58,24.91 166.85,24.91 166.85,25.51 107.413,25.528 149.58,26.11 166.85,26.11 166.85,26.71 149.58,27.31 166.85,27.31 166.85,27.91 149.58,28.51 166.85,28.51 166.85,29.11
  other v2: 105.67,24.26 104.67,25.26 105.67,25.26
GNDADC: C5.1 C50.2 FB1.2 U1.J10 U1.K10 | length 3.6
  L1 Top w0.254: U1.K10@129.045,19.151 U1.J10@129.045,19.951 v1(129.445,20.351)
  L8 Bot w0.1: FB1.2@129.05,20.54 129.05,20.525 129.135,20.44 129.275,20.44 129.364,20.351 v1(129.445,20.351)
  L8 Bot w0.3: C5.1@128.94,18.81 129.301,19.171 129.301,19.796 C50.2@129.345,19.84 129.417,19.912 129.417,20.323 v1(129.445,20.351)
HDMI_CLK_N: Slot1.129 U1.W20 | length 21
  L1 Top w0.09: Slot1.129@142.95,1.45 143.13,1.63 143.13,2.696 143.141,2.708 143.141,3.392 143.01,3.524 143.01,3.6
  L1 Top w0.343: U1.W20@137.045,11.951 v1(137.445,11.551)
  L3 Sig w0.09: v1(137.445,11.551) 137.445,11.635 137.581,11.771 137.581,11.79 137.653,11.861 138.909,11.861 139.072,11.698 139.072,11.195 139.019,11.143 138.155,11.143 137.741,10.728 137.741,10.238 138.022,9.957 140.656,9.957 140.783,9.83 140.783,8.393 141.106,8.07 141.54,8.07 141.873,8.403 142.31,8.403 143.173,7.54 143.173,5.963 143.12,5.91 142.08,5.91 141.9,5.73 141.9,5.074 142.08,4.895 142.909,4.895 143.142,4.662 143.142,3.808 v1@143.01,3.676
  other v1: 143.01,3.8
HDMI_CLK_P: Slot1.131 U1.V20 | length 21.3
  L1 Top w0.09: 143.49,3.6 143.49,3.524 143.358,3.392 143.358,2.708 143.37,2.696 143.37,1.63 Slot1.131@143.55,1.45
  L1 Top w0.343: U1.V20@137.045,12.751 v1(137.445,12.351)
  L3 Sig w0.09: v1(137.445,12.351) 137.445,12.267 137.634,12.078 138.999,12.078 139.289,11.788 139.289,11.106 139.109,10.926 138.245,10.926 137.958,10.638 137.958,10.328 138.112,10.174 140.746,10.174 141,9.92 141,8.483 141.196,8.287 141.45,8.287 141.783,8.62 142.4,8.62 143.39,7.63 143.39,5.873 143.21,5.693 142.17,5.693 142.117,5.64 142.117,5.164 142.17,5.112 142.998,5.112 143.359,4.751 143.359,3.808 v1@143.49,3.676
  other v1: 143.49,3.8
HDMI_D0_N: Slot1.137 U1.M18 | length 21.8
  L1 Top w0.09: v1(145.29,3.8) 145.29,3.524 145.159,3.392 145.159,2.708 145.17,2.696 145.17,1.63 Slot1.137@145.35,1.45
  L1 Top w0.1: U1.M18@135.445,17.551 v1(135.845,17.151)
  L3 Sig w0.09: v1(135.845,17.151) 135.761,17.151 135.541,16.93 135.541,15.537 135.752,15.326 136.132,15.326 136.291,15.167 136.291,14.457 136.343,14.405 137.061,14.405 137.22,14.246 137.22,13.858 137.352,13.726 138.327,13.726 145.153,6.9 145.153,3.937 v1(145.29,3.8)
HDMI_D0_P: Slot1.135 U1.M17 | length 21.8
  L1 Top w0.09: Slot1.135@144.75,1.45 144.93,1.63 144.93,2.696 144.942,2.708 144.942,3.392 144.81,3.524 v1(144.81,3.8)
  L1 Top w0.1: U1.M17@134.645,17.551 v1(135.045,17.151)
  L3 Sig w0.09: v1(135.045,17.151) 135.129,17.151 135.334,16.946 135.334,15.452 135.666,15.119 136.046,15.119 136.084,15.081 136.084,14.372 136.258,14.198 136.975,14.198 137.013,14.16 137.013,13.772 137.266,13.519 138.242,13.519 144.947,6.814 144.947,3.937 v1(144.81,3.8)
HDMI_D1_N: Slot1.125 U1.Y19 | length 21.2
  L1 Top w0.09: 141.69,3.6 141.69,3.524 141.559,3.392 141.559,2.708 141.57,2.696 141.57,1.63 Slot1.125@141.75,1.45
  L1 Top w0.343: U1.Y19@136.245,11.151 v1(136.645,10.751)
  L3 Sig w0.09: v1(136.645,10.751) 136.353,10.46 136.353,9.9 136.713,9.54 140.13,9.54 140.33,9.34 140.33,8.33 140.15,8.15 138.353,8.15 138.3,8.097 138.3,7.63 138.353,7.577 141.75,7.577 141.93,7.397 141.93,6.543 141.75,6.363 140.5,6.363 140.447,6.31 140.447,5.883 140.5,5.83 140.91,5.83 141.559,5.181 141.559,3.808 v1@141.69,3.676
  other v1: 141.69,3.8
HDMI_D1_P: Slot1.123 U1.Y18 | length 21.2
  L1 Top w0.09: Slot1.123@141.15,1.45 141.33,1.63 141.33,2.696 141.342,2.708 141.342,3.392 141.21,3.524 141.21,3.6
  L1 Top w0.343: U1.Y18@135.445,11.151 v1(135.845,10.751)
  L3 Sig w0.09: v1(135.845,10.751) 136.136,10.46 136.136,9.81 136.624,9.323 140.04,9.323 140.113,9.25 140.113,8.419 140.06,8.367 138.263,8.367 138.083,8.187 138.083,7.54 138.263,7.36 141.66,7.36 141.713,7.307 141.713,6.633 141.66,6.58 140.41,6.58 140.23,6.4 140.23,5.793 140.41,5.613 140.82,5.613 141.342,5.092 141.342,3.808 v1@141.21,3.676
  other v1: 141.21,3.8
HDMI_D2_N: Slot1.141 U1.P20 | length 21.8
  L1 Top w0.09: Slot1.141@146.55,1.45 146.73,1.63 146.73,2.696 146.741,2.708 146.741,3.392 146.61,3.524 146.61,3.6
  L1 Top w0.343: U1.P20@137.045,15.951 v1(137.445,15.551)
  L3 Sig w0.09: v1(137.445,15.551) 137.445,15.79 137.498,15.842 137.572,15.842 137.936,15.478 137.936,15.021 140.424,12.533 141.927,12.533 142.07,12.39 142.07,12.26 141.603,11.793 141.603,11.31 142.83,10.083 144.417,10.083 144.45,10.05 144.45,9.77 144.263,9.583 144.263,9.173 144.443,8.993 144.89,8.993 145.36,8.523 145.36,8.22 145.877,7.703 146.1,7.703 146.742,7.062 v1@146.742,3.842
  other v1: 146.61,3.8
HDMI_D2_P: Slot1.143 U1.N20 | length 22.2
  L1 Top w0.09: 147.09,3.6 147.09,3.524 146.958,3.392 146.958,2.708 146.97,2.696 146.97,1.63 Slot1.143@147.15,1.45
  L1 Top w0.343: U1.N20@137.045,16.751 v1(137.445,16.351)
  L3 Sig w0.09: v1(137.445,16.351) 137.445,16.112 137.498,16.059 137.662,16.059 138.153,15.568 138.153,15.111 140.514,12.75 142.017,12.75 142.287,12.48 142.287,12.17 141.82,11.703 141.82,11.4 142.92,10.3 144.507,10.3 144.667,10.14 144.667,9.68 144.48,9.493 144.48,9.263 144.533,9.21 144.98,9.21 145.577,8.613 145.577,8.31 145.967,7.92 146.19,7.92 146.959,7.151 146.959,3.932 v1(147.09,3.8)
IO0_0: IC1.H4 R7.1 R14.2 U1.A6 | length 43.8
  L1 Top w0.1: v1(145.59,22.044) IC1.H4@145.961,22.415 146.346,22.8 148.59,22.8 149.01,23.22 R14.2@150.166,23.22 150.168,23.218 150.168,22.048 R7.1@150.17,22.046
  L1 Top w0.254: v1(125.56,26.835) 125.603,26.792 125.603,26.634 125.845,26.392 U1.A6@125.845,26.351
  L3 Sig w0.1: v1(125.56,26.835) 127.255,28.53 127.528,28.53 127.578,28.53 ccw(c127.578,28.63) 127.678,28.63 127.678,28.82 cw(c127.768,28.82) 127.768,28.91 127.888,28.91 cw(c127.888,28.82) 127.978,28.82 127.978,28.58 ccw(c128.068,28.58) 128.068,28.49 128.188,28.49 ccw(c128.188,28.58) 128.278,28.58 128.278,28.82 cw(c128.368,28.82) 128.368,28.91 128.488,28.91 cw(c128.488,28.82) 128.578,28.82 128.578,28.58 ccw(c128.668,28.58) 128.668,28.49 128.788,28.49 ccw(c128.788,28.58) 128.878,28.58 128.878,28.82 cw(c128.968,28.82) 128.968,28.91 129.088,28.91 cw(c129.088,28.82) 129.178,28.82 129.178,28.58 ccw(c129.268,28.58) 129.268,28.49 129.388,28.49 ccw(c129.388,28.58) 129.478,28.58 129.478,28.82 cw(c129.568,28.82) 129.568,28.91 129.688,28.91 cw(c129.688,28.82) 129.778,28.82 129.778,28.58 ccw(c129.868,28.58) 129.868,28.49 129.988,28.49 ccw(c129.988,28.58) 130.078,28.58 130.078,28.82 cw(c130.168,28.82) 130.168,28.91 130.288,28.91 cw(c130.288,28.82) 130.378,28.82 130.378,28.58 ccw(c130.468,28.58) 130.468,28.49 130.588,28.49 ccw(c130.588,28.58) 130.678,28.58 130.678,28.82 cw(c130.768,28.82) 130.768,28.91 130.888,28.91 cw(c130.888,28.82) 130.978,28.82 130.978,28.58 ccw(c131.068,28.58) 131.068,28.49 131.188,28.49 ccw(c131.188,28.58) 131.278,28.58 131.278,28.82 cw(c131.368,28.82) 131.368,28.91 131.488,28.91 cw(c131.488,28.82) 131.578,28.82 131.578,28.63 ccw(c131.678,28.63) 131.678,28.53 132.001,28.53 132.071,28.6 132.381,28.91 144.23,28.91 145.51,27.63 145.51,27.127 145.5,27.117 145.5,26.843 145.51,26.833 145.51,26.572 145.629,26.453 146.467,26.453 146.6,26.32 146.829,26.091 146.829,26.025 cw(c146.729,26.025) 146.729,25.925 146.644,25.925 ccw(c146.644,25.835) 146.554,25.835 146.554,25.715 ccw(c146.644,25.715) 146.644,25.625 146.88,25.625 cw(c146.88,25.535) 146.97,25.535 146.97,25.415 cw(c146.88,25.415) 146.88,25.325 146.647,25.325 ccw(c146.647,25.235) 146.557,25.235 146.557,25.115 ccw(c146.647,25.115) 146.647,25.025 146.729,25.025 cw(c146.729,24.925) 146.829,24.925 146.829,24.322 146.829,24.139 146.62,23.93 146.343,23.93 146.093,23.68 145.419,23.68 145.16,23.421 145.16,22.84 144.69,22.37 144.69,21.81 144.96,21.54 145.48,21.54 145.66,21.72 145.647,21.733 145.647,21.986 v1(145.59,22.044)
IO1_0: IC1.J4 R8.1 R15.2 U1.A5 | length 46.6
  L1 Top w0.1: R8.1@142.28,27.901 142.282,27.903 143.447,27.903 R15.2@143.449,27.905 143.449,25.769 143.978,25.24 144.93,25.24 145.62,24.55 145.62,23.556 IC1.J4@145.961,23.215 v1(145.59,22.844)
  L1 Top w0.254: v1(124.645,26.751) U1.A5@125.045,26.351
  L3 Sig w0.1: v1(124.645,26.751) 124.645,27.325 126.77,29.45 145.3,29.45 147.15,27.6 147.15,27.284 147.15,27.234 ccw(c147.25,27.234) 147.25,27.134 147.655,27.134 cw(c147.655,27.044) 147.745,27.044 147.745,26.924 cw(c147.655,26.924) 147.655,26.834 147.124,26.834 ccw(c147.124,26.744) 147.034,26.744 147.034,26.624 ccw(c147.124,26.624) 147.124,26.534 147.655,26.534 cw(c147.655,26.444) 147.745,26.444 147.745,26.324 cw(c147.655,26.324) 147.655,26.234 147.124,26.234 ccw(c147.124,26.144) 147.034,26.144 147.034,26.024 ccw(c147.124,26.024) 147.124,25.934 147.655,25.934 cw(c147.655,25.844) 147.745,25.844 147.745,25.724 cw(c147.655,25.724) 147.655,25.634 147.24,25.634 ccw(c147.24,25.544) 147.15,25.544 147.15,25.424 ccw(c147.24,25.424) 147.24,25.334 147.655,25.334 cw(c147.655,25.244) 147.745,25.244 147.745,25.124 cw(c147.655,25.124) 147.655,25.034 147.124,25.034 ccw(c147.124,24.944) 147.034,24.944 147.034,24.824 ccw(c147.124,24.824) 147.124,24.734 147.655,24.734 cw(c147.655,24.644) 147.745,24.644 147.745,24.524 cw(c147.655,24.524) 147.655,24.434 147.124,24.434 ccw(c147.124,24.344) 147.034,24.344 147.034,24.224 ccw(c147.124,24.224) 147.124,24.134 147.655,24.134 cw(c147.655,24.044) 147.745,24.044 147.745,23.924 cw(c147.655,23.924) 147.655,23.834 147.25,23.834 ccw(c147.25,23.734) 147.15,23.734 147.15,23.43 147.093,23.373 146.69,22.97 146.38,22.97 146.127,23.223 145.969,23.223 v1(145.59,22.844)
IO2_0: IC1.K4 R11.1 R16.2 U1.B7 | length 43.2
  L1 Top w0.1: R11.1@144.619,27.905 144.621,27.903 145.788,27.903 R16.2@145.79,27.901 146.529,27.901 146.97,27.46 146.97,25.024 v1(146.332,24.386) IC1.K4@145.961,24.015
  L1 Top w0.254: v1(126.245,25.951) U1.B7@126.645,25.551
  L3 Sig w0.1: v1(126.245,25.951) 126.794,26.5 127.16,26.5 127.54,26.88 127.54,26.891 127.684,27.036 128.315,27.036 128.751,27.471 128.801,27.521 ccw(c128.692,27.63) 128.846,27.63 128.846,28.04 cw(c128.936,28.04) 128.936,28.13 129.056,28.13 cw(c129.056,28.04) 129.146,28.04 129.146,27.28 ccw(c129.236,27.28) 129.236,27.19 129.356,27.19 ccw(c129.356,27.28) 129.446,27.28 129.446,28.04 cw(c129.536,28.04) 129.536,28.13 129.656,28.13 cw(c129.656,28.04) 129.746,28.04 129.746,27.69 ccw(c129.836,27.69) 129.836,27.6 129.956,27.6 ccw(c129.956,27.69) 130.046,27.69 130.046,28.04 cw(c130.136,28.04) 130.136,28.13 130.256,28.13 cw(c130.256,28.04) 130.346,28.04 130.346,27.28 ccw(c130.436,27.28) 130.436,27.19 130.556,27.19 ccw(c130.556,27.28) 130.646,27.28 130.646,28.04 cw(c130.736,28.04) 130.736,28.13 130.856,28.13 cw(c130.856,28.04) 130.946,28.04 130.946,27.28 ccw(c131.036,27.28) 131.036,27.19 131.156,27.19 ccw(c131.156,27.28) 131.246,27.28 131.246,28.04 cw(c131.336,28.04) 131.336,28.13 131.456,28.13 cw(c131.456,28.04) 131.546,28.04 131.546,27.28 ccw(c131.636,27.28) 131.636,27.19 131.756,27.19 ccw(c131.756,27.28) 131.846,27.28 131.846,27.67 cw(c131.946,27.67) 131.946,27.77 132.255,27.77 133.035,28.55 143.184,28.55 145.51,26.224 145.51,25.57 144.861,24.921 144.861,24.839 144.979,24.721 145.061,24.721 145.23,24.89 145.23,24.9 145.97,25.64 146.08,25.64 146.18,25.54 146.18,25.4 145.266,24.486 145.266,24.404 145.409,24.261 145.491,24.261 146.248,25.018 146.331,25.018 146.39,24.96 146.39,24.444 v1(146.332,24.386)
IO3_0: IC1.K5 U1.E8 | length 36.1
  L1 Top w0.15: v1(144.79,23.644) IC1.K5@145.161,24.015
  L1 Top w0.254: v1(127.045,23.551) U1.E8@127.445,23.151
  L3 Sig w0.1: v1(127.045,23.551) 127.083,23.551 127.553,24.021 128.364,24.021 128.613,24.27 129.75,24.27 130.145,24.665 131.425,24.665 132.09,24 133.8,24 134.62,24.82 134.62,25.98 135.45,26.81 135.45,27.05 135.854,27.454 138.306,27.454 138.84,26.92 138.89,26.92 ccw(c138.89,27.02) 138.99,27.02 138.99,27.38 cw(c139.08,27.38) 139.08,27.47 139.2,27.47 cw(c139.2,27.38) 139.29,27.38 139.29,26.924 ccw(c139.38,26.924) 139.38,26.834 139.5,26.834 ccw(c139.5,26.924) 139.59,26.924 139.59,27.38 cw(c139.68,27.38) 139.68,27.47 139.8,27.47 cw(c139.8,27.38) 139.89,27.38 139.89,26.79 ccw(c139.98,26.79) 139.98,26.7 140.1,26.7 ccw(c140.1,26.79) 140.19,26.79 140.19,27.38 cw(c140.28,27.38) 140.28,27.47 140.4,27.47 cw(c140.4,27.38) 140.49,27.38 140.49,26.785 ccw(c140.58,26.785) 140.58,26.695 140.7,26.695 ccw(c140.7,26.785) 140.79,26.785 140.79,27.38 cw(c140.88,27.38) 140.88,27.47 141,27.47 cw(c141,27.38) 141.09,27.38 141.09,27.02 ccw(c141.19,27.02) 141.19,26.92 141.51,26.92 141.95,26.92 142.499,26.371 v1(142.501,26.371)
  L6 Sig w0.1: v1(142.501,26.371) 143.25,27.12 144.65,27.12 145.2,26.57 145.2,26.332 145.2,26.282 ccw(c145.3,26.282) 145.3,26.182 145.56,26.182 cw(c145.56,26.092) 145.65,26.092 145.65,25.972 cw(c145.56,25.972) 145.56,25.882 145.06,25.882 ccw(c145.06,25.792) 144.97,25.792 144.97,25.672 ccw(c145.06,25.672) 145.06,25.582 145.56,25.582 cw(c145.56,25.492) 145.65,25.492 145.65,25.372 cw(c145.56,25.372) 145.56,25.282 144.362,25.282 ccw(c144.362,25.192) 144.272,25.192 144.272,25.072 ccw(c144.362,25.072) 144.362,24.982 145.56,24.982 cw(c145.56,24.892) 145.65,24.892 145.65,24.772 cw(c145.56,24.772) 145.56,24.682 145.052,24.682 ccw(c145.052,24.592) 144.962,24.592 144.962,24.472 ccw(c145.052,24.472) 145.052,24.382 145.1,24.382 cw(c145.1,24.282) 145.2,24.282 145.2,24.054 v1(144.79,23.644)
IO4_0: IC1.K6 U1.B5 | length 35.7
  L1 Top w0.15: IC1.K6@144.361,24.015 v1(144.732,24.386)
  L1 Top w0.254: v1(124.645,25.951) U1.B5@125.045,25.551
  L3 Sig w0.1: v1(124.645,25.951) 124.662,25.968 124.662,26.301 124.98,26.619 124.98,27.12 127.13,29.27 145.04,29.27 146.51,27.8 v1(146.51,26.91)
  L8 Bot w0.1: v1(144.732,24.386) 144.732,25.208 144.31,25.63 144.31,26.33 144.54,26.56 144.86,26.56 145.73,25.69 148.441,25.69 148.5,25.749 148.5,25.94 148.02,26.42 147,26.42 v1(146.51,26.91)